# Altium PCB egse_pcb.PcbDoc (part 2 of 3) (continued)
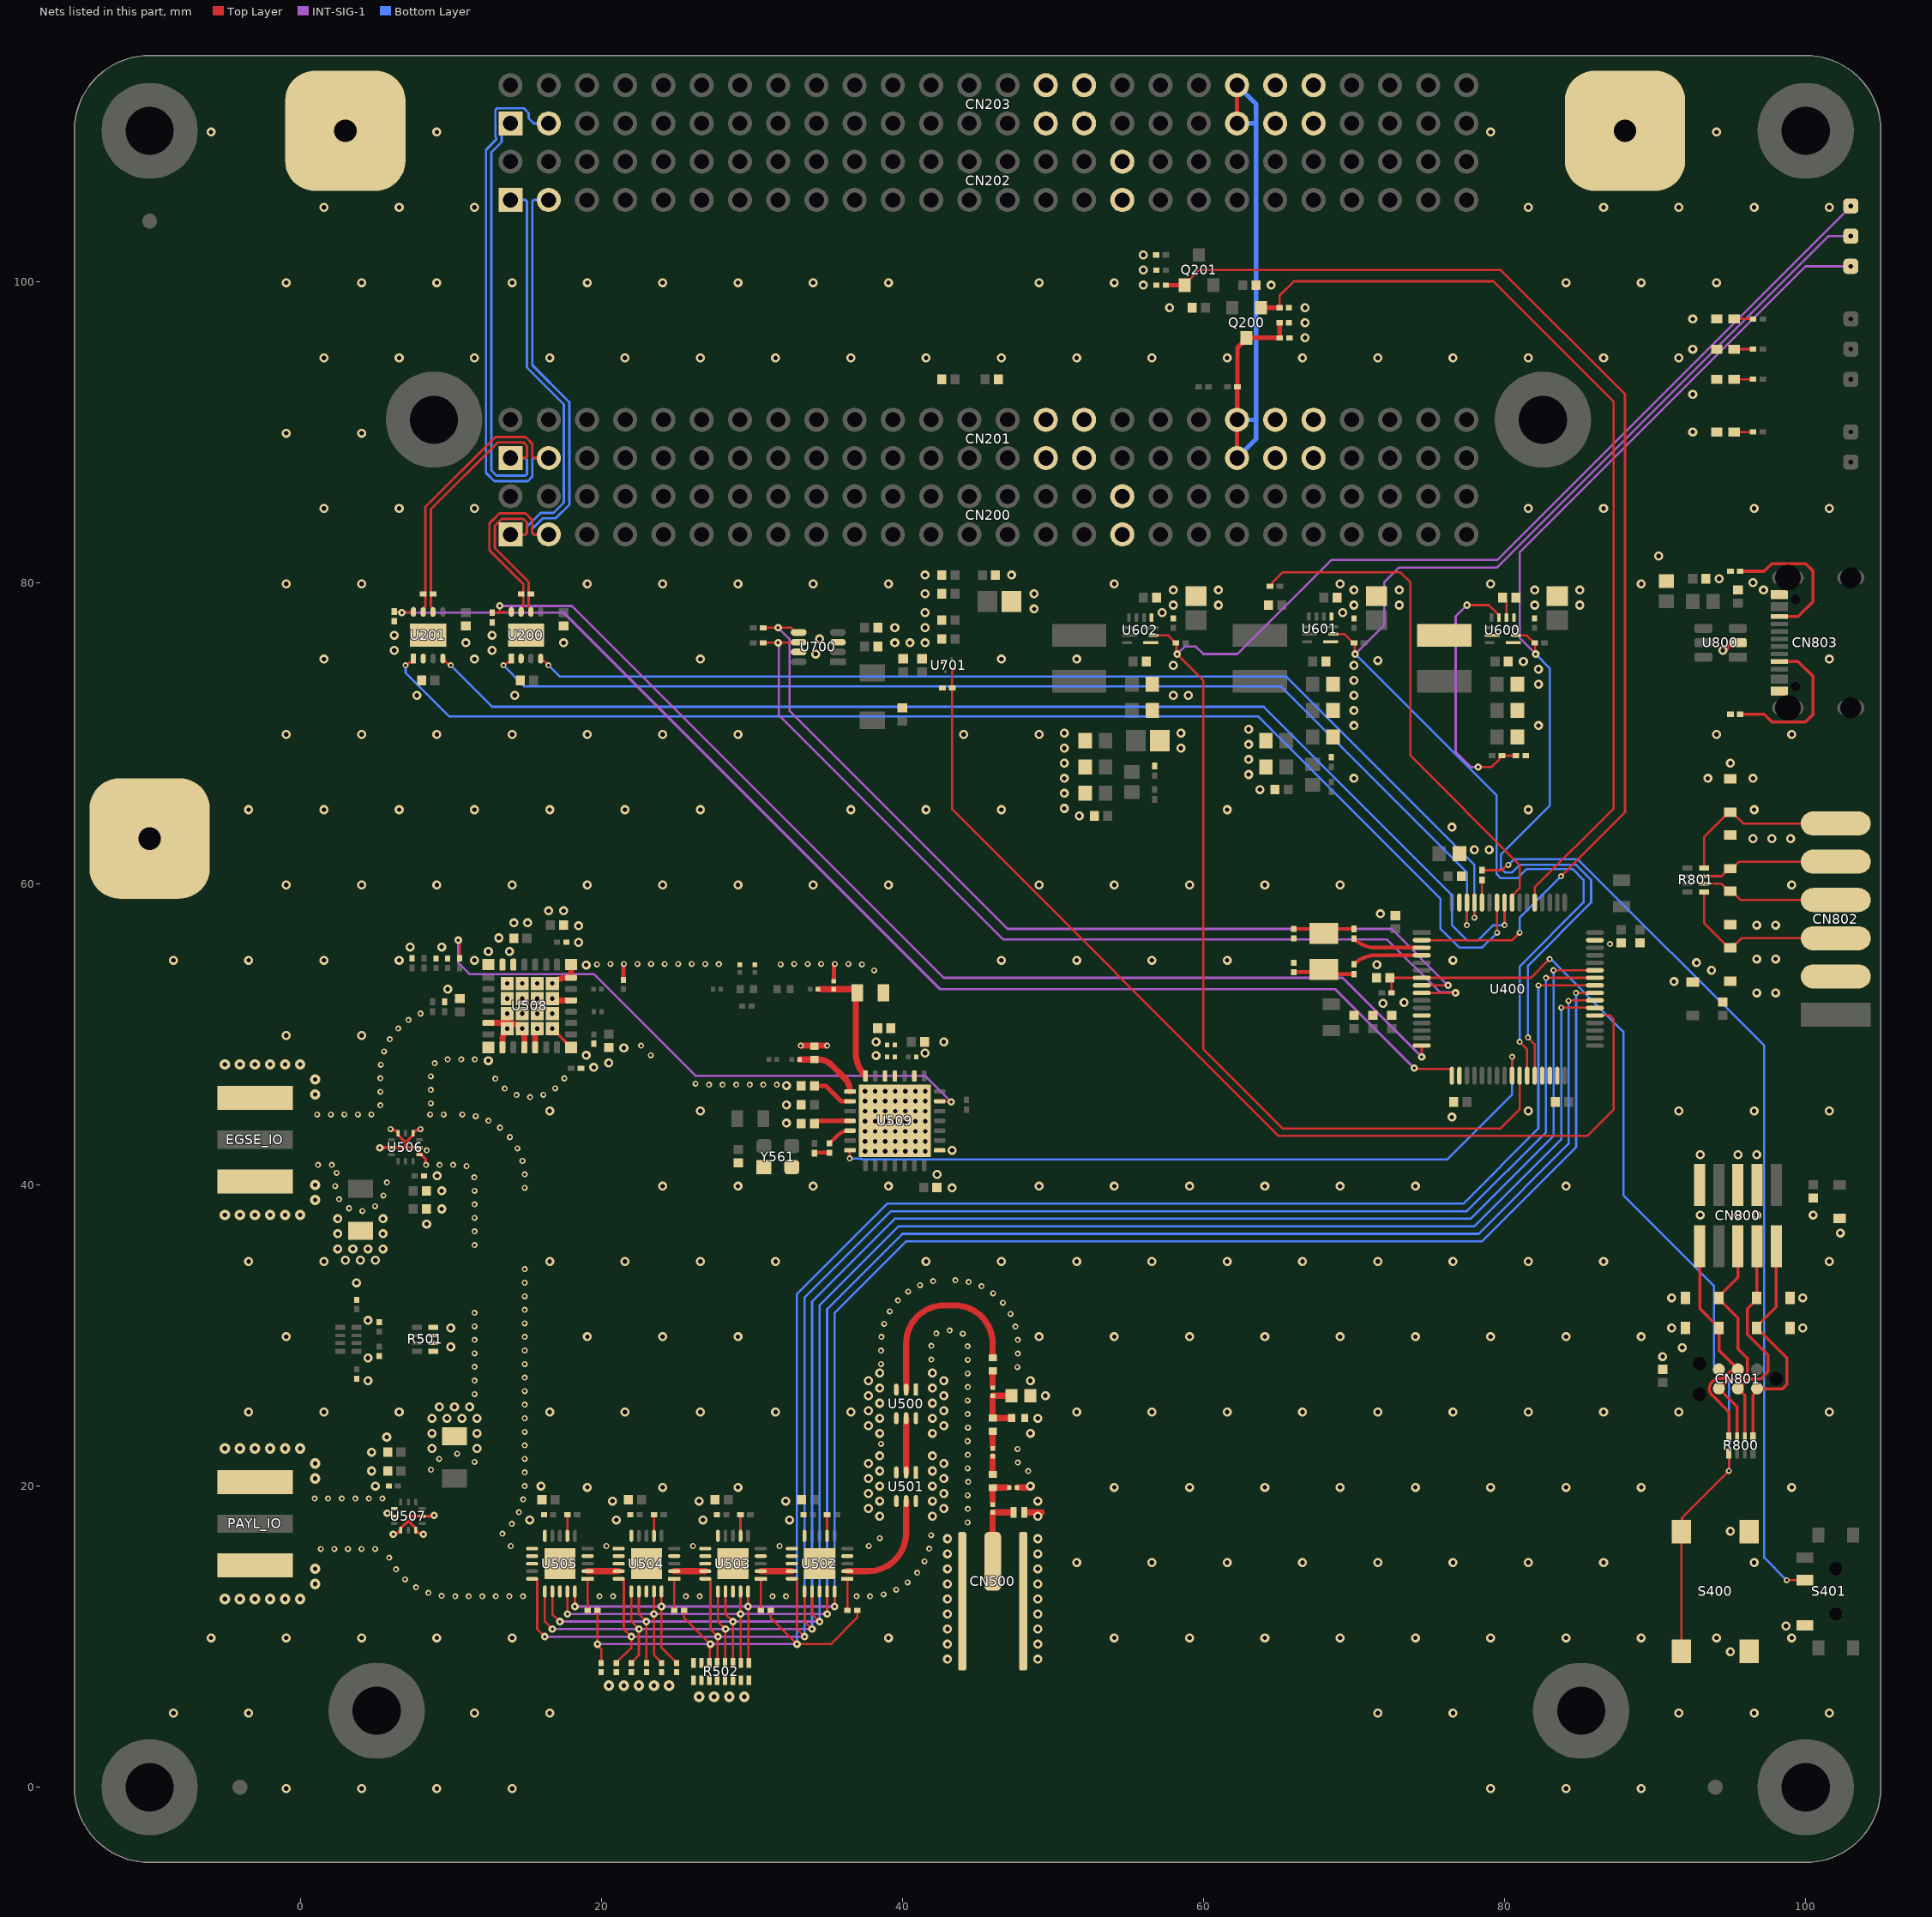
[diagram p6: the nets of this part, all layers, seen from the top]
## Part data (continued)
R500: "RES ARRAY 4 RES 1K OHM 0804", manufacturer="Panasonic Electronic Components", Number of Resistors=4, Operating Temperature="-55°C ~ 125°C", Package / Case="0804, Convex, Long Side Terminals", Power Per Element=62.5mW, Resistance (Ohms)=1k, Supplier Device Package=0804, Supplier Part Number 1=Y7102CT-ND, Temperature Coefficient=±200ppm/°C, Tolerance=±5%, Applications="Automotive AEC-Q200", Circuit Type=Isolated, ComponentLink1Description=Datasheet, ComponentLink1URL=https://industrial.panasonic.com/cdbs/www-data/pdf/AOC0000/AOC0000C14.pdf, componentlink2description="DigiKey Link", componentlink2url=https://www.digikey.com/en/products/detail/panasonic-electronic-components/EXB-28V102JX/256287, Height - Seated (Max)="0.018\" (0.45mm)", lastupdated="03/06/2024 20:05:56", Lifecycle Status=Active, Minimum Order=1, Mounting Type="Surface Mount", Number of Pins=8, packaging=TapeAndReel, Part Number=EXB-28V102JX, Part Status=Active, partid=492, price=0.01, series=EXB, Size / Dimension="0.079\" L x 0.039\" W (2.00mm x 1.00mm)", Supplier 1=DigiKey
R501: "RES ARRAY 4 RES 4.7K OHM 0804", manufacturer="Panasonic Electronic Components", Number of Resistors=4, Operating Temperature="-55°C ~ 125°C", Package / Case="0804, Convex, Long Side Terminals", Power Per Element=62.5mW, Resistance (Ohms)=4.7k, Supplier Device Package=0804, Supplier Part Number 1=Y7472CT-ND, Temperature Coefficient=±200ppm/°C, Tolerance=±5%, Applications="Automotive AEC-Q200", Circuit Type=Isolated, ComponentLink1Description=Datasheet, ComponentLink1URL=https://industrial.panasonic.com/cdbs/www-data/pdf/AOC0000/AOC0000C14.pdf, componentlink2description="DigiKey Link", componentlink2url=https://www.digikey.com/en/products/detail/panasonic-electronic-components/EXB-28V472JX/256295, Height - Seated (Max)="0.018\" (0.45mm)", lastupdated="03/06/2024 20:05:56", Lifecycle Status=Active, Minimum Order=1, Mounting Type="Surface Mount", Number of Pins=8, packaging=TapeAndReel, Part Number=EXB-28V472JX, Part Status=Active, partid=462, price=0.01, series=EXB, Size / Dimension="0.079\" L x 0.039\" W (2.00mm x 1.00mm)", Supplier 1=DigiKey
R502: "RES ARRAY 8 RES 10K OHM 1606", manufacturer=Yageo, Number of Resistors=8, Operating Temperature="-55°C ~ 155°C", Package / Case="1606, Convex, Long Side Terminals", Power Per Element=62.5mW, Resistance (Ohms)=10k, Supplier Part Number 1=13-YC248-JR-0710KLDKR-ND, Temperature Coefficient=±200ppm/°C, Tolerance=±5%, Applications="DDRAM, SDRAM", Circuit Type=Isolated, ComponentLink1Description=Datasheet, ComponentLink1URL=https://www.yageo.com/upload/media/product/productsearch/datasheet/rchip/PYu-YC_TC_group_51_RoHS_L_9.pdf, componentlink2description="DigiKey Link", componentlink2url=https://www.digikey.com/en/products/detail/yageo/YC248-JR-0710KL/1005237, Height - Seated (Max)="0.022\" (0.55mm)", lastupdated="03/06/2024 20:04:14", Lifecycle Status=Active, Minimum Order=1, Mounting Type="Surface Mount", Number of Pins=16, packaging=TapeAndReel, Part Number=YC248-JR-0710KL, Part Status=Active, partid=10, price=0.03, series=YC248, Size / Dimension="0.157\" L x 0.063\" W (4.00mm x 1.60mm)", Supplier 1=DigiKey
R511 R512: library part PHPA1206E49R9BST1, "THIN FILM RES SMD 49.9 OHM 0.1%", Device Package="1206 (3216 Metric)", manufacturer="Vishay Dale Thin Film", Operating Temperature="-55°C ~ 155°C", Power (Watts)=1W, Ratings=AEC-Q200, Supplier Device Package=1206, Supplier Part Number 1=764-PHPA1206E49R9BST1CT-ND, Temperature Coefficient=±25ppm/°C, Tolerance=±0.1%, ComponentLink1Description=Datasheet, ComponentLink1URL=https://www.vishay.com/docs/60160/phpa.pdf, componentlink2description="DigiKey Link", componentlink2url=https://www.digikey.com/en/products/detail/vishay-dale-thin-film/PHPA1206E49R9BST1/14555186, Composition="Thin Film", Features="Anti-Sulfur, Automotive AEC-Q200, High Power, Moisture Resistant", Height - Seated (Max)="0.020\" (0.51mm)", lastupdated="09/02/2024 20:53:25", Lifecycle Status=Active, Minimum Order=1, Number of Terminations=2, Package / Case="1206 (3216 Metric)", packaging=TapeAndReel, Part Number=PHPA1206E49R9BST1, Part Status=Active, partid=58771, price=0.76, Resistance="49.9 Ohms", series=PHPA, Size / Dimension="0.126\" L x 0.063\" W (3.20mm x 1.60mm)", Supplier 1=DigiKey
R513: library part AC0201FR-071KL, "RES SMD 1K OHM 1% 1/20W 0201", Device Package="0201 (0603 Metric)", manufacturer=Yageo, Operating Temperature="-55°C ~ 155°C", Power (Watts)="0.05W, 1/20W", Ratings=AEC-Q200, Supplier Device Package=0201, Supplier Part Number 1=YAG3417CT-ND, Temperature Coefficient=±200ppm/°C, Tolerance=±1%, ComponentLink1Description=Datasheet, ComponentLink1URL=https://www.yageo.com/upload/media/product/productsearch/datasheet/rchip/PYu-AC_51_RoHS_L_7.pdf, componentlink2description="DigiKey Link", componentlink2url=https://www.digikey.com/en/products/detail/yageo/AC0201FR-071KL/5894376, Composition="Thick Film", Features="Automotive AEC-Q200, Moisture Resistant", Height - Seated (Max)="0.010\" (0.26mm)", lastupdated="04/06/2024 19:11:52", Lifecycle Status=Active, Minimum Order=1, Number of Terminations=2, Package / Case="0201 (0603 Metric)", packaging=TapeAndReel, Part Number=AC0201FR-071KL, Part Status=Active, partid=4299, price=0.01, Resistance="1 kOhms", series=AC, Size / Dimension="0.024\" L x 0.012\" W (0.60mm x 0.30mm)", Supplier 1=DigiKey
R516: library part ERJ-1GNF5101C, "RES SMD 5.1K OHM 1% 1/20W 0201", Device Package="0201 (0603 Metric)", manufacturer="Panasonic Electronic Components", Operating Temperature="-55°C ~ 125°C", Power (Watts)="0.05W, 1/20W", Ratings=AEC-Q200, Supplier Device Package=0201, Supplier Part Number 1=P123051CT-ND, Temperature Coefficient=±200ppm/°C, Tolerance=±1%, ComponentLink1Description=Datasheet, ComponentLink1URL=https://industrial.panasonic.com/cdbs/www-data/pdf/RDA0000/AOA0000C304.pdf, componentlink2description="DigiKey Link", componentlink2url=https://www.digikey.com/en/products/detail/panasonic-electronic-components/ERJ-1GNF5101C/2036192, Composition="Thick Film", Features="Automotive AEC-Q200", Height - Seated (Max)="0.010\" (0.26mm)", lastupdated="04/06/2024 19:11:52", Lifecycle Status=Active, Minimum Order=1, Number of Terminations=2, Package / Case="0201 (0603 Metric)", packaging=TapeAndReel, Part Number=ERJ-1GNF5101C, Part Status=Active, partid=4177, price=0.01, Resistance="5.1 kOhms", series=ERJ-1GN, Size / Dimension="0.024\" L x 0.012\" W (0.60mm x 0.30mm)", Supplier 1=DigiKey
R518: library part ERJ-1GJF3301C, "RES SMD 3.3K OHM 1% 1/20W 0201", Device Package="0201 (0603 Metric)", manufacturer="Panasonic Electronic Components", Operating Temperature="-55°C ~ 125°C", Power (Watts)="0.05W, 1/20W", Ratings=AEC-Q200, Supplier Device Package=0201, Supplier Part Number 1=10-ERJ-1GJF3301CCT-ND, Temperature Coefficient=±200ppm/°C, Tolerance=±1%, ComponentLink1Description=Datasheet, ComponentLink1URL=https://api.pim.na.industrial.panasonic.com/file_stream/main/fileversion/1263, componentlink2description="DigiKey Link", componentlink2url=https://www.digikey.com/en/products/detail/panasonic-electronic-components/ERJ-1GJF3301C/19101344, Composition="Thick Film", Features="Automotive AEC-Q200", Height - Seated (Max)="0.010\" (0.26mm)", lastupdated="04/06/2024 19:11:47", Lifecycle Status=Active, Minimum Order=1, Number of Terminations=2, Package / Case="0201 (0603 Metric)", packaging=TapeAndReel, Part Number=ERJ-1GJF3301C, partid=80200, price=0.02, Resistance="3.3 kOhms", series=ERJ-1GJ, Size / Dimension="0.024\" L x 0.012\" W (0.60mm x 0.30mm)", Supplier 1=DigiKey
R601: library part AC0201FR-072K49L, "RES SMD 2.49K OHM 1% 1/20W 0201", Device Package="0201 (0603 Metric)", manufacturer=Yageo, Operating Temperature="-55°C ~ 155°C", Power (Watts)="0.05W, 1/20W", Ratings=AEC-Q200, Supplier Device Package=0201, Supplier Part Number 1=YAG5189CT-ND, Temperature Coefficient=±200ppm/°C, Tolerance=±1%, ComponentLink1Description=Datasheet, ComponentLink1URL=https://www.yageo.com/upload/media/product/productsearch/datasheet/rchip/PYu-AC_51_RoHS_L_7.pdf, componentlink2description="DigiKey Link", componentlink2url=https://www.digikey.com/en/products/detail/yageo/AC0201FR-072K49L/5894499, Composition="Thick Film", Features="Automotive AEC-Q200, Moisture Resistant", Height - Seated (Max)="0.010\" (0.26mm)", lastupdated="04/06/2024 19:11:59", Lifecycle Status=Active, Minimum Order=1, Number of Terminations=2, Package / Case="0201 (0603 Metric)", packaging=TapeAndReel, Part Number=AC0201FR-072K49L, Part Status=Active, partid=986, price=0.01, Resistance="2.49 kOhms", series=AC, Size / Dimension="0.024\" L x 0.012\" W (0.60mm x 0.30mm)", Supplier 1=DigiKey
R602 R606 R613: library part RC0201FR-074K87L, "RES 4.87K OHM 1% 1/20W 0201", Device Package="0201 (0603 Metric)", manufacturer=Yageo, Operating Temperature="-55°C ~ 125°C", Power (Watts)="0.05W, 1/20W", Supplier Device Package=0201, Supplier Part Number 1=YAG2711CT-ND, Temperature Coefficient=±200ppm/°C, Tolerance=±1%, ComponentLink1Description=Datasheet, ComponentLink1URL=https://www.yageo.com/upload/media/product/productsearch/datasheet/rchip/PYu-RC_Group_51_RoHS_L_10.pdf, componentlink2description="DigiKey Link", componentlink2url=https://www.digikey.com/en/products/detail/yageo/RC0201FR-074K87L/5280571, Composition="Thick Film", Features="Moisture Resistant", Height - Seated (Max)="0.010\" (0.26mm)", lastupdated="04/06/2024 19:11:58", Lifecycle Status=Active, Minimum Order=1, Number of Terminations=2, Package / Case="0201 (0603 Metric)", packaging=TapeAndReel, Part Number=RC0201FR-074K87L, Part Status=Active, partid=1350, price=0.01, Resistance="4.87 kOhms", series=RC_L, Size / Dimension="0.024\" L x 0.012\" W (0.60mm x 0.30mm)", Supplier 1=DigiKey
R605: library part RC0201FR-0715K4L, "RES 15.4K OHM 1% 1/20W 0201", Device Package="0201 (0603 Metric)", manufacturer=Yageo, Operating Temperature="-55°C ~ 125°C", Power (Watts)="0.05W, 1/20W", Supplier Device Package=0201, Supplier Part Number 1=YAG2421CT-ND, Temperature Coefficient=±200ppm/°C, Tolerance=±1%, ComponentLink1Description=Datasheet, ComponentLink1URL=https://www.yageo.com/upload/media/product/productsearch/datasheet/rchip/PYu-RC_Group_51_RoHS_L_10.pdf, componentlink2description="DigiKey Link", componentlink2url=https://www.digikey.com/en/products/detail/yageo/RC0201FR-0715K4L/5280281, Composition="Thick Film", Features="Moisture Resistant", Height - Seated (Max)="0.010\" (0.26mm)", lastupdated="04/06/2024 19:12:00", Lifecycle Status=Active, Minimum Order=1, Number of Terminations=2, Package / Case="0201 (0603 Metric)", packaging=TapeAndReel, Part Number=RC0201FR-0715K4L, Part Status=Active, partid=714, price=0.01, Resistance="15.4 kOhms", series=RC_L, Size / Dimension="0.024\" L x 0.012\" W (0.60mm x 0.30mm)", Supplier 1=DigiKey
R607 R608: library part RC0201JR-07680RL, "RES 680 OHM 5% 1/20W 0201", Device Package="0201 (0603 Metric)", manufacturer=Yageo, Operating Temperature="-55°C ~ 125°C", Power (Watts)="0.05W, 1/20W", Supplier Device Package=0201, Supplier Part Number 1=311-680NCT-ND, Temperature Coefficient=±200ppm/°C, Tolerance=±5%, ComponentLink1Description=Datasheet, ComponentLink1URL=https://www.yageo.com/upload/media/product/productsearch/datasheet/rchip/PYu-RC_Group_51_RoHS_L_10.pdf, componentlink2description="DigiKey Link", componentlink2url=https://www.digikey.com/en/products/detail/yageo/RC0201JR-07680RL/1948962, Composition="Thick Film", Features="Moisture Resistant", Height - Seated (Max)="0.010\" (0.26mm)", lastupdated="04/06/2024 19:12:00", Lifecycle Status=Active, Minimum Order=1, Number of Terminations=2, Package / Case="0201 (0603 Metric)", packaging=CutTape, Part Number=RC0201JR-07680RL, Part Status=Active, partid=715, price=0.01, Resistance="680 Ohms", series=RC_L, Size / Dimension="0.024\" L x 0.012\" W (0.60mm x 0.30mm)", Supplier 1=DigiKey
R609: library part RC0201JR-07750RL, "RES 750 OHM 5% 1/20W 0201", Device Package="0201 (0603 Metric)", manufacturer=Yageo, Operating Temperature="-55°C ~ 125°C", Power (Watts)="0.05W, 1/20W", Supplier Device Package=0201, Supplier Part Number 1=YAG2927CT-ND, Temperature Coefficient=±200ppm/°C, Tolerance=±5%, ComponentLink1Description=Datasheet, ComponentLink1URL=https://www.yageo.com/upload/media/product/productsearch/datasheet/rchip/PYu-RC_Group_51_RoHS_L_10.pdf, componentlink2description="DigiKey Link", componentlink2url=https://www.digikey.com/en/products/detail/yageo/RC0201JR-07750RL/5280787, Composition="Thick Film", Features="Moisture Resistant", Height - Seated (Max)="0.010\" (0.26mm)", lastupdated="04/06/2024 19:11:57", Lifecycle Status=Active, Minimum Order=1, Number of Terminations=2, Package / Case="0201 (0603 Metric)", packaging=CutTape, Part Number=RC0201JR-07750RL, Part Status=Active, partid=1858, price=0.01, Resistance="750 Ohms", series=RC_L, Size / Dimension="0.024\" L x 0.012\" W (0.60mm x 0.30mm)", Supplier 1=DigiKey
R610: library part CRCW02011K50JNED, "RES SMD 1.5K OHM 5% 1/20W 0201", Device Package="0201 (0603 Metric)", manufacturer="Vishay Dale", Operating Temperature="-55°C ~ 155°C", Power (Watts)="0.05W, 1/20W", Supplier Device Package=0201, Supplier Part Number 1=541-CRCW02011K50JNEDCT-ND, Temperature Coefficient=±200ppm/°C, Tolerance=±5%, ComponentLink1Description=Datasheet, ComponentLink1URL=http://www.vishay.com/docs/20052/crcw0201e3.pdf, componentlink2description="DigiKey Link", componentlink2url=http://digikey.com/product-detail/en/vishay-dale/CRCW02011K50JNED/541-CRCW02011K50JNEDCT-ND/10449419, Composition="Thick Film", Height - Seated (Max)="0.011\" (0.28mm)", lastupdated="04/06/2024 19:12:01", Lifecycle Status=Active, Minimum Order=1, Number of Terminations=2, Package / Case="0201 (0603 Metric)", packaging=CutTape, Part Number=CRCW02011K50JNED, Part Status=Active, partid=491, price=0.10, Resistance="1.5 kOhms", series=CRCW, Size / Dimension="0.024\" L x 0.012\" W (0.60mm x 0.30mm)", Supplier 1=DigiKey
R612: library part RC0201FR-0719K1L, "RES 19.1K OHM 1% 1/20W 0201", Device Package="0201 (0603 Metric)", manufacturer=Yageo, Operating Temperature="-55°C ~ 125°C", Power (Watts)="0.05W, 1/20W", Supplier Device Package=0201, Supplier Part Number 1=YAG2464CT-ND, Temperature Coefficient=±200ppm/°C, Tolerance=±1%, ComponentLink1Description=Datasheet, ComponentLink1URL=https://www.yageo.com/upload/media/product/productsearch/datasheet/rchip/PYu-RC_Group_51_RoHS_L_10.pdf, componentlink2description="DigiKey Link", componentlink2url=https://www.digikey.com/en/products/detail/yageo/RC0201FR-0719K1L/5280324, Composition="Thick Film", Features="Moisture Resistant", Height - Seated (Max)="0.010\" (0.26mm)", lastupdated="04/06/2024 19:11:59", Lifecycle Status=Active, Minimum Order=1, Number of Terminations=2, Package / Case="0201 (0603 Metric)", packaging=TapeAndReel, Part Number=RC0201FR-0719K1L, Part Status=Active, partid=1027, price=0.01, Resistance="19.1 kOhms", series=RC_L, Size / Dimension="0.024\" L x 0.012\" W (0.60mm x 0.30mm)", Supplier 1=DigiKey
R700 R701: library part AC0201FR-074K7L, "RES SMD 4.7K OHM 1% 1/20W 0201", Device Package="0201 (0603 Metric)", manufacturer=Yageo, Operating Temperature="-55°C ~ 155°C", Power (Watts)="0.05W, 1/20W", Ratings=AEC-Q200, Supplier Device Package=0201, Supplier Part Number 1=YAG3426CT-ND, Temperature Coefficient=±200ppm/°C, Tolerance=±1%, ComponentLink1Description=Datasheet, ComponentLink1URL=https://www.yageo.com/upload/media/product/productsearch/datasheet/rchip/PYu-AC_51_RoHS_L_7.pdf, componentlink2description="DigiKey Link", componentlink2url=https://www.digikey.com/en/products/detail/yageo/AC0201FR-074K7L/5894686, Composition="Thick Film", Features="Automotive AEC-Q200, Moisture Resistant", Height - Seated (Max)="0.010\" (0.26mm)", lastupdated="04/06/2024 19:11:59", Lifecycle Status=Active, Minimum Order=1, Number of Terminations=2, Package / Case="0201 (0603 Metric)", packaging=CutTape, Part Number=AC0201FR-074K7L, Part Status=Active, partid=978, price=0.01, Resistance="4.7 kOhms", series=AC, Size / Dimension="0.024\" L x 0.012\" W (0.60mm x 0.30mm)", Supplier 1=DigiKey
R702: library part L4T12FR010DER, "0.01 OHM 1206 0.5% 0.50W", Device Package="1206 (3216 Metric)", manufacturer=Ohmite, Operating Temperature="-55°C ~ 155°C", Power (Watts)="0.5W, 1/2W", Supplier Device Package=1206, Supplier Part Number 1=273-L4T12FR010DERCT-ND, Temperature Coefficient=±75ppm/°C, Tolerance=±0.5%, ComponentLink1Description=Datasheet, ComponentLink1URL=https://www.ohmite.com/assets/docs/acl_l4t.pdf, componentlink2description="DigiKey Link", componentlink2url=https://www.digikey.com/en/products/detail/ohmite/L4T12FR010DER/10385195, Composition="Thick Film", Features="Current Sense", Height - Seated (Max)="0.026\" (0.65mm)", lastupdated="03/06/2024 19:49:34", Lifecycle Status=Active, Minimum Order=1, Number of Terminations=4, Package / Case="1206 (3216 Metric)", packaging=CutTape, Part Number=L4T12FR010DER, Part Status=Active, partid=2184, price=0.08, Resistance="10 mOhms", series=L4T12, Size / Dimension="0.118\" L x 0.063\" W (3.00mm x 1.60mm)", Supplier 1=DigiKey
R800 R801: "RES ARRAY 4 RES 49.9 OHM 0804", manufacturer=Yageo, Number of Resistors=4, Operating Temperature="-55°C ~ 155°C", Package / Case="0804, Convex, Long Side Terminals", Power Per Element=62.5mW, Resistance (Ohms)=49.9, Supplier Part Number 1=YC124F-49.9CT-ND, Temperature Coefficient=±200ppm/°C, Tolerance=±1%, Applications="DDRAM, SDRAM", Circuit Type=Isolated, ComponentLink1Description=Datasheet, ComponentLink1URL=https://www.yageo.com/upload/media/product/productsearch/datasheet/rchip/PYu-YC_TC_group_51_RoHS_L_9.pdf, componentlink2description="DigiKey Link", componentlink2url=https://www.digikey.com/en/products/detail/yageo/YC124-FR-0749R9L/2827647, Height - Seated (Max)="0.022\" (0.55mm)", lastupdated="03/06/2024 20:05:56", Lifecycle Status=Active, Minimum Order=1, Mounting Type="Surface Mount", Number of Pins=8, packaging=TapeAndReel, Part Number=YC124-FR-0749R9L, Part Status=Active, partid=501, price=0.03, series=YC124, Size / Dimension="0.079\" L x 0.039\" W (2.00mm x 1.00mm)", Supplier 1=DigiKey
R802 R803: library part AC0201FR-075K1L, "RES SMD 5.1K OHM 1% 1/20W 0201", Device Package="0201 (0603 Metric)", manufacturer=Yageo, Operating Temperature="-55°C ~ 155°C", Power (Watts)="0.05W, 1/20W", Ratings=AEC-Q200, Supplier Device Package=0201, Supplier Part Number 1=YAG5228CT-ND, Temperature Coefficient=±200ppm/°C, Tolerance=±1%, ComponentLink1Description=Datasheet, ComponentLink1URL=https://www.yageo.com/upload/media/product/productsearch/datasheet/rchip/PYu-AC_51_RoHS_L_7.pdf, componentlink2description="DigiKey Link", componentlink2url=https://www.digikey.com/en/products/detail/yageo/AC0201FR-075K1L/5894738, Composition="Thick Film", Features="Automotive AEC-Q200, Moisture Resistant", Height - Seated (Max)="0.010\" (0.26mm)", lastupdated="04/06/2024 19:12:02", Lifecycle Status=Active, Minimum Order=1, Number of Terminations=2, Package / Case="0201 (0603 Metric)", packaging=TapeAndReel, Part Number=AC0201FR-075K1L, Part Status=Active, partid=225, price=0.01, Resistance="5.1 kOhms", series=AC, Size / Dimension="0.024\" L x 0.012\" W (0.60mm x 0.30mm)", Supplier 1=DigiKey
S400: library part CMP-1452-00002-2, Color=Orange, Contact Current Rating=50mA, Insulation Resistance=100MΩ, Max Operating Temperature=85°C, Min Operating Temperature=-40°C, Voltage Rating=12V, Actuator Length=900µm, Actuator Material="Liquid Crystal Polymer, Polymer", Contact Material="Stainless Steel, Steel", Contact Plating=Silver, Current Rating=50mA, Diameter=3.5mm, Height=4.3mm, Illumination Type="Illuminated, Non-Illuminated", Length=6.2mm, Mechanical Life=200kcycles, Mount="Surface Mount", NexarPartId=22861785, packaging="Tape and Reel", REACH SVHC="No SVHC", RoHS=Compliant, Switch Function=Off-Mom, Switch Travel=250µm, Termination="Gull Wing", Throw Configuration=SPST, Width=6.2mm
S401: "MINI SLIDE SWITCH 6.7 X 2.7 MM.", Current Rating (Amps)="300mA (DC)", manufacturer="Würth Elektronik", Operating Temperature="-40°C ~ 85°C", Rated Current=300mA, Rated Voltage=5VDC, Supplier Part Number 1=732-13665-1-ND, Voltage Rating - DC="5 V", Actuator Length=1.50mm, Actuator Type=Standard, Circuit=SPDT, ComponentLink1Description=Datasheet, ComponentLink1URL=https://katalog.we-online.de/em/datasheet/450404015514.pdf, componentlink2description="DigiKey Link", componentlink2url=https://www.digikey.com/en/products/detail/würth-elektronik/450404015514/9950812, Contact Finish=Silver, Contact Material="Copper Alloy", Contact Plating=Silver, Contact Timing="Non-Shorting (BBM)", lastupdated="20/06/2022 13:21:56", Lifecycle Status=Active, Minimum Order=1, Mounting Technology=SMT, Mounting Type="Surface Mount", packaging=TapeAndReel, Part Number=450404015514, Part Status=Active, partid=5, price=0.48, Published Date="September 2019", Publisher="Wurth Elektronik", series=WS-SLSU, Size=6.7x2.7mm, Supplier 1=DigiKey, Switch Function=On-On, Switching Function=On-On, Terminal Material="Copper Alloy", Terminal Plating=Silver, Termination Style="SMD (SMT) Tab"
U200 U201: library part "CAN MCP2542FDT-E/MF", "IC TRANSCEIVER 1/1 8DFN", Device Package="8-VDFN Exposed Pad", manufacturer="Microchip Technology", Operating Temperature="-40°C ~ 125°C", Supplier Device Package="8-DFN (3x3)", Supplier Part Number 1=MCP2542FDT-E/MFCT-ND, Voltage - Supply="4.5V ~ 5.5V", ComponentLink1Description=Datasheet, ComponentLink1URL=http://www.microchip.com/mymicrochip/filehandler.aspx?ddocname=en585412, componentlink2description="DigiKey Link", componentlink2url=http://digikey.com/product-detail/en/microchip-technology/MCP2542FDT-E-MF/MCP2542FDT-E-MFCT-ND/5975779, Data Rate=8Mbps, lastupdated="24/05/2020 23:09:12", Lifecycle Status=Active, Minimum Order=1, Mounting Type="Surface Mount", Number of Drivers/Receivers=1/1, Package / Case="8-VDFN Exposed Pad", packaging=TapeAndReel, Part Number=MCP2542FDT-E/MF, Part Status=Active, price=0.62, Protocol=CANbus, Receiver Hysteresis=200mV, series=-, Supplier 1=DigiKey, Type=Transceiver
U400: "Ultra-low-power Arm® Cortex®-M4 32-bit MCU+FPU, 100 DMIPS, up to 1 MB flash, 320 KB SRAM, USB OTG FS, audio, LQFP64"
U500: library part YAT-3A, "Fixed Attenuator 50 OHM 2W 3 dB DC to 18 GHz"
U501: library part YAT-30A, "Fixed Attenuator 50 OHM 1W 30 dB DC to 18 GHz"
U502 U503 U504 U505: "Digital Step Attenuator  50Ω 0 to 31.5 dB, 0.5 dB Step DC to 4.0 GHz parallel"
U506 U507: "0.1 to 8.0 GHz SP3T Switch"
U508: "400 MHz Transmit/Receive Front-End Module"
U509: "137 MHz to 1020 MHz Low Power Long Range Transceiver"
U600 U601 U602: "3-V to 17-V, 2-A/3-A Low Noise and Low Ripple Buck Converter with Integrated Ferrite Bead Filter Compensation"
U700: "48-V, 16-Bit, Current, Voltage, and Power Monitor With an I2C Interface"
U701: "67 mΩ RDS(ON) 2A High-Side Load Switch in 0.85 mm x 0.85 mm FTDFN Package"
Y400: library part ABS07-32.768KHZ-9-1-T, "CRYSTAL 32.7680KHZ 9PF SMD", ESR (Equivalent Series Resistance)="70 kOhms", Frequency Tolerance=±10ppm, Load Capacitance=9pF, manufacturer="Abracon LLC", Operating Mode=Fundamental, Operating Temperature="-40°C ~ 85°C", Package / Case="2-SMD, No Lead", Supplier Part Number 1=535-13479-1-ND, ComponentLink1Description=Datasheet, ComponentLink1URL=https://abracon.com/Resonators/ABS07.pdf, componentlink2description="DigiKey Link", componentlink2url=https://www.digikey.com/en/products/detail/abracon-llc/ABS07-32-768KHZ-9-1-T/5980075, Frequency="32.768 kHz", Height - Seated (Max)="0.035\" (0.90mm)", lastupdated="03/06/2024 20:02:04", Lifecycle Status=Active, Minimum Order=1, Mounting Type="Surface Mount", packaging=TapeAndReel, Part Number=ABS07-32.768KHZ-9-1-T, Part Status=Active, partid=380, price=0.86, series=ABS07, Size / Dimension="0.126\" L x 0.059\" W (3.20mm x 1.50mm)", Supplier 1=DigiKey, Type="kHz Crystal (Tuning Fork)"
Y561: Frequency="32 MHz", Load Capacitance=10pF, Tolerance=±0.5ppm, Part Number=FT2MNTUM-32.0-T1

## Free pads (board coordinates)
  rrect50% 8x8 hole 1.5: GND1(-10,63) GND2(3,110) GND3(88,110)

## Via types
v1: diameter 0.6/0.7/0.7/0.6 (per signal layer), hole 0.3, Top Layer to Bottom Layer, 618 vias
v2: diameter 0.4/0.5/0.5/0.4 (per signal layer), hole 0.2, Top Layer to Bottom Layer, 332 vias
v3: diameter 0.65, hole 0.3, Top Layer to Bottom Layer, 49 vias
v4: diameter 0.7, hole 0.3, Top Layer to Bottom Layer, 16 vias

## Nets (pads, with @x,y where several pads share a name; then routed paths per layer and width w, separated by ;. In a path a pad name is that pad's centre, name@x,y a point inside that pad or via, vN(x,y) a via of type N, cw(c..) or ccw(c..) an arc to the next point about the centre after c; other vN are vias at no path point)
ANT_BPF_6: C511.2 L502.1 | length 1.2
  Top Layer w0.408: L502.1@46,20.77 C511.2@46,21.98
ANT_ESD_6: C512.2 CN500.1 D500.2 | length 4.5
  Top Layer w0.408: CN500.1@46,15 C512.2@46,18.25 D500.2@47.2,18.25
ANT_LPF_6: C512.1 C513.2 L502.2 | length 1.9
  Top Layer w0.408: 46,18.92 L502.2@46,19.89 46,19.9 C513.2@46.95,19.9
ANTENNA: L500.1 U500.2 | length 12.6
  Top Layer w0.408: U500.2@40.25,26.4 40.25,29.46 cw(c42.79,29.46) 42.79,32 43.46,32 cw(c43.46,29.46) 46,29.46 L500.1@46,28.52
ATT_CTRL.C0_5: C509.2 R502.9 U400.40 U502.20 U503.20 U504.20 U505.20 | length 114
  Top Layer w0.15: v2(18.25,12) U505.20@18.25,13 ; U504.20@24,13 v2(24,12) 24,9.275 25,8.275 C509.2@25,8.25 ; U503.20@29.75,13 v2(29.75,12) 29.774,11.976 29.774,8.274 R502.9@29.799,8.25 ; v2(35.5,12) U502.20@35.5,13 ; v2(84.75,52.75) U400.40@86,52.75
  INT-SIG-1 w0.15: v2(18.25,12) v2(24,12) v2(29.75,12) v2(35.5,12)
  Bottom Layer w0.15: v2(35.5,12) 35.5,31.5 40.25,36.25 78.5,36.25 84.75,42.5 v2(84.75,52.75)
ATT_CTRL.C1: C508.2 R502.10 U400.39 U502.19 U503.19 U504.19 U505.19 | length 115.3
  Top Layer w0.15: v2(17.75,11.5) U505.19@17.75,13 ; U504.19@23.5,13 v2(23.5,11.5) 23.5,8.775 24,8.275 C508.2@24,8.25 ; U503.19@29.25,13 v2(29.25,11.5) 29.262,11.488 29.262,8.262 R502.10@29.274,8.25 ; v2(35,11.5) U502.19@35,13 ; v2(84.25,52.224) 84.276,52.25 U400.39@86,52.25
  INT-SIG-1 w0.15: v2(17.75,11.5) v2(23.5,11.5) v2(29.25,11.5) v2(35,11.5)
  Bottom Layer w0.15: v2(35,11.5) 35,31.75 40,36.75 78.276,36.75 84.25,42.724 v2(84.25,52.224)
ATT_CTRL.C2: C507.2 R502.11 U400.38 U502.17 U503.17 U504.17 U505.17 | length 117.4
  Top Layer w0.15: U505.17@16.75,13 16.75,11.5 v2(17.25,11) ; U504.17@22.5,13 22.5,11.5 v2(23,11) C507.2@23,8.25 ; U503.17@28.25,13 28.25,11.5 v2(28.75,11) R502.11@28.75,8.25 ; U502.17@34,13 34,11.5 v2(34.5,11) ; v2(83.769,51.769) 85.981,51.769 U400.38@86,51.75
  INT-SIG-1 w0.15: v2(17.25,11) v2(23,11) v2(28.75,11) v2(34.5,11)
  Bottom Layer w0.15: v2(34.5,11) 34.5,32 39.75,37.25 78,37.25 83.769,43.019 v2(83.769,51.769)
ATT_CTRL.C4: C506.2 R502.12 U400.43 U502.16 U503.16 U504.16 U505.16 | length 122.1
  Top Layer w0.15: U505.16@16.25,13 16.25,11 v2(16.75,10.5) ; C506.2@22,8.25 22,8.275 22.5,8.775 v2(22.5,10.5) 22,11 U504.16@22,13 ; U503.16@27.75,13 27.75,11 v2(28.25,10.5) 28.238,10.488 28.238,8.262 R502.12@28.226,8.25 ; U502.16@33.5,13 33.5,11 v2(34,10.5) ; v2(83.25,54.25) 85.325,54.25 U400.43@86,54.25
  INT-SIG-1 w0.15: v2(16.75,10.5) v2(22.5,10.5) v2(28.25,10.5) v2(34,10.5)
  Bottom Layer w0.15: v2(34,10.5) 34,32.25 39.5,37.75 77.75,37.75 83.25,43.25 v2(83.25,54.25)
ATT_CTRL.C8: C505.2 R502.13 U400.42 U502.15 U503.15 U504.15 U505.15 | length 128.4
  Top Layer w0.15: U505.15@15.405,13.845 15.658,13.845 15.75,13.753 15.75,10.5 v2(16.25,10) ; C505.2@21,8.25 21,8.275 22,9.275 v2(22,10) 21.5,10.5 21.5,13.753 21.408,13.845 U504.15@21.155,13.845 ; U503.15@26.905,13.845 27.158,13.845 27.25,13.753 27.25,10.5 v2(27.75,10) 27.726,9.976 27.726,8.274 R502.13@27.701,8.25 ; U502.15@32.655,13.845 32.908,13.845 33,13.753 33,10.5 v2(33.5,10) ; v2(82.75,53.75) 85.325,53.75 U400.42@86,53.75
  INT-SIG-1 w0.15: v2(16.25,10) v2(22,10) v2(27.75,10) v2(33.5,10)
  Bottom Layer w0.15: v2(33.5,10) 33.5,32.5 39.25,38.25 77.5,38.25 82.75,43.5 v2(82.75,53.75)
ATT_CTRL.C16: C504.2 R502.14 R503.1 R504.1 R505.1 R506.1 U400.41 | length 119.6
  Top Layer w0.15: R506.1@19.75,11.75 v2(19.75,9.5) 19.75,9.432 20,9.182 C504.2@20,8.25 ; R505.1@25.5,11.75 25.5,11.25 v2(27.25,9.5) 27.214,9.464 27.214,8.286 R502.14@27.177,8.25 ; R504.1@31.25,11.75 31.25,11.25 v2(33,9.5) 35.25,9.5 37,11.25 R503.1@37,11.75 ; v2(82.25,53.25) 85.325,53.25 U400.41@86,53.25
  INT-SIG-1 w0.15: v2(19.75,9.5) v2(27.25,9.5) v2(33,9.5)
  Bottom Layer w0.15: v2(33,9.5) 33,32.75 39,38.75 77.25,38.75 82.25,43.75 v2(82.25,53.25)
CAN1.RX: U200.4 U400.61 | length 72.2
  Top Layer w0.15: v2(78,57.75) U400.61@78,58.75
  Top Layer w0.16: U200.4@15.975,74.95 15.975,74.867 16.063,74.779 16.221,74.779 v2(16.5,74.5)
  Bottom Layer w0.15: v2(16.5,74.5) 17.25,73.75 65.5,73.75 78,61.25 v2(78,57.75)
CAN1.TX: U200.1 U400.62 | length 75.5
  Top Layer w0.15: v2(77.5,57.25) U400.62@77.5,58.75
  Top Layer w0.16: v2(13.5,74.5) 13.546,74.546 13.621,74.546 13.78,74.705 13.93,74.705 14.025,74.8 U200.1@14.025,74.95